# Allegro board Learn.brd (continued)
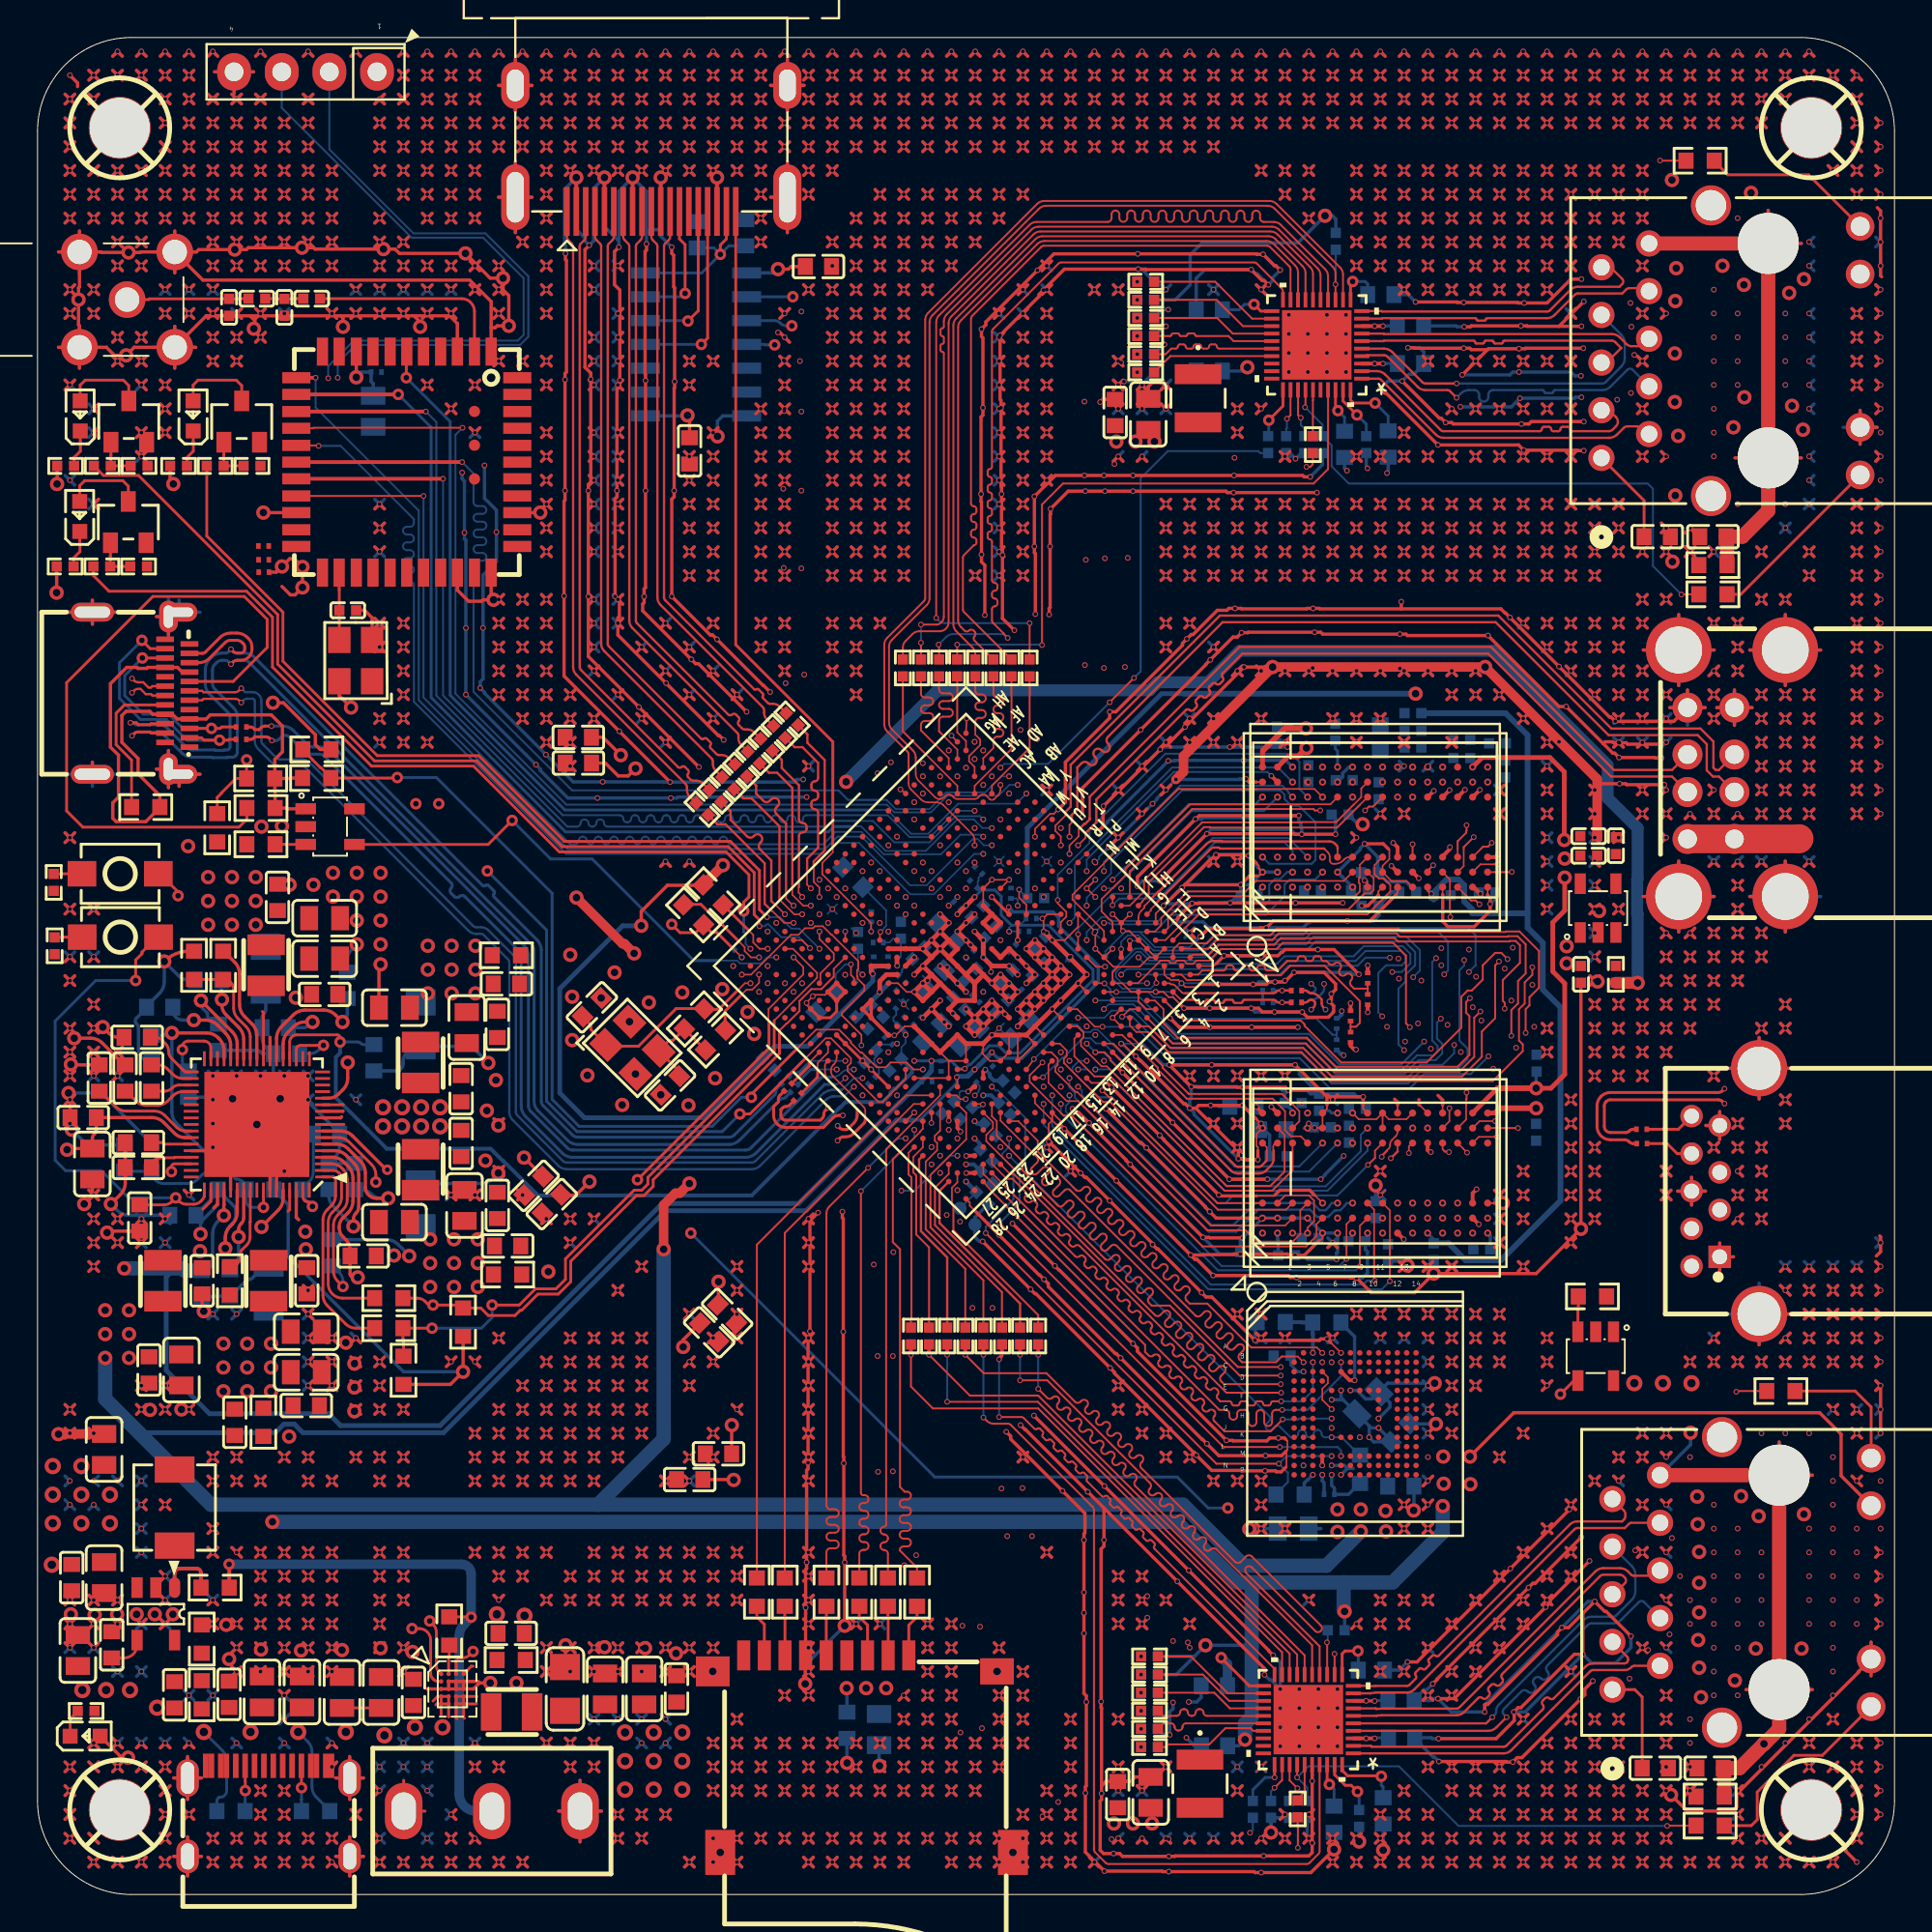
[diagram p0: board, top side]
## Routing (per net, layer and track width the routed paths; a pad name or vN(x,y) marks a point on that pad's centre or on a via; arc(x,y) is an arc through that point) (continued)
66.75,72.59 ; 85.29,91.64 v1(85.54,91.89) ; v1(85.54,91.89) 85.8,91.64 ; v1(85.54,91.89) 85.29,92.15 ; v1(85.54,91.89) 85.8,92.15 ; 21.79,79.45 v1(22.04,79.19) ; v1(22.04,79.19) 22.3,79.45 ; v1(22.04,79.19) 22.3,78.94 ; v1(22.04,79.19) 21.79,78.94 ; 97.99,83.26 v1(98.24,83) 97.99,82.75 ; v1(16.96,27.12) 17.22,26.87 ; v1(16.96,27.12) 16.71,27.38 ; v1(16.96,27.12) 16.71,26.87 ; v1(16.96,27.12) 17.22,27.38 ; 66.55,22.78 66.29,22.53 66.04,22.53 65.99,22.58 v1(65.43,22.58) 64.21,22.58 64.19,22.61 62.59,22.61 v1(61.77,23.42) 57.41,27.78 57.41,27.83 v1(57.18,28.07) 53.22,32.03 53.17,32.03 v1(52.93,32.26) v1(50.38,34.81) ; 11.63,87.07 v1(11.88,86.81) ; v1(11.88,86.81) 12.14,86.56 ; v1(11.88,86.81) 12.14,87.07 ; v1(11.88,86.81) 11.63,86.56 ; 35.76,24.33 v1(36.01,24.58) ; v1(36.01,24.58) 35.76,24.84 ; v1(36.01,24.58) 36.27,24.33 ; v1(36.01,24.58) 36.27,24.84 ; v1(58.87,60.14) 59.13,59.89 ; v1(58.87,60.14) 58.62,59.89 ; v1(58.87,60.14) 59.13,60.4 ; v1(51.25,93.16) 51.51,92.91 ; v1(51.25,93.16) 51,92.91 ; v1(51.25,93.16) 51.51,93.42 ; v1(51.25,93.16) 51,93.42 ; v1(66.49,65.22) 66.75,64.97 ; v1(66.49,65.22) 66.24,65.48 ; v1(66.49,65.22) 66.24,64.97 ; v1(66.49,65.22) 66.75,65.48 ; v1(81.73,67.76) 81.99,67.51 ; v1(81.73,67.76) 81.48,68.02 ; v1(81.73,67.76) 81.99,68.02 ; v1(81.73,67.76) 81.48,67.51 ; v1(33.47,95.7) 33.73,95.96 ; v1(33.47,95.7) 33.22,95.45 ; v1(33.47,95.7) 33.73,95.45 ; v1(33.47,95.7) 33.22,95.96 ; 43.38,2.74 v1(43.63,2.99) ; v1(43.63,2.99) 43.89,3.25 ; v1(43.63,2.99) 43.38,3.25 ; v1(43.63,2.99) 43.89,2.74 ; 29.41,81.48 v1(29.66,81.73) 29.41,81.99 ; 34.49,76.4 v1(34.74,76.65) ; v1(34.74,76.65) 34.49,76.91 ; v1(34.74,76.65) 35,76.4 ; v1(34.74,76.65) 35,76.91 ; v1(28.39,62.68) 28.65,62.94 ; v1(28.39,62.68) 28.65,62.43 ; v1(28.39,62.68) 28.14,62.94 ; v1(28.39,62.68) 28.14,62.43 ; 85.29,23.57 v1(85.54,23.31) ; v1(85.54,23.31) 85.8,23.06 ; v1(85.54,23.31) 85.29,23.06 ; v1(85.54,23.31) 85.8,23.57 ; 58.62,97.23 v1(58.87,96.97) ; v1(58.87,96.97) 59.13,97.23 ; v1(58.87,96.97) 59.13,96.72 ; v1(58.87,96.97) 58.62,96.72 ; v1(53.79,1.72) 54.05,1.98 ; v1(53.79,1.72) 54.05,1.47 ; v1(53.79,1.72) 53.54,1.98 ; v1(53.79,1.72) 53.54,1.47 ; v1(84.27,63.95) 84.53,64.21 ; v1(84.27,63.95) 84.02,63.7 ; v1(84.27,63.95) 84.53,63.7 ; v1(84.27,63.95) 84.02,64.21 ; v1(11.88,11.88) 12.14,12.14 ; v1(11.88,11.88) 11.63,11.63 ; v1(11.88,11.88) 12.14,11.63 ; v1(11.88,11.88) 11.63,12.14 ; v1(76.65,6.8) 76.91,6.55 ; v1(76.65,6.8) 76.4,6.55 ; v1(76.65,6.8) 76.4,7.06 ; v1(76.65,6.8) 76.91,7.06 ; 49.73,90.88 v1(49.98,90.62) ; v1(49.98,90.62) 50.24,90.88 ; v1(49.98,90.62) 50.24,90.37 ; v1(49.98,90.62) 49.73,90.37 ; v1(41.09,25.85) 41.35,25.6 ; v1(41.09,25.85) 40.84,25.6 ; v1(41.09,25.85) 41.35,26.11 ; v1(41.09,25.85) 40.84,26.11 ; 87.83,57.35 v1(88.08,57.6) 88.34,57.35 ; 34.49,72.59 v1(34.74,72.84) ; v1(34.74,72.84) 35,72.59 ; v1(34.74,72.84) 35,73.1 ; v1(34.74,72.84) 34.49,73.1 ; v1(42.36,8.07) 42.62,8.33 ; v1(42.36,8.07) 42.11,8.33 ; v1(42.36,8.07) 42.11,7.82 ; v1(42.36,8.07) 42.62,7.82 ; 84.02,91.64 v1(84.27,91.89) ; v1(84.27,91.89) 84.02,92.15 ; v1(84.27,91.89) 84.53,91.64 ; v1(84.27,91.89) 84.53,92.15 ; 76.4,92.15 v1(76.65,91.89) ; v1(76.65,91.89) 76.91,91.64 ; v1(76.65,91.89) 76.4,91.64 ; v1(76.65,91.89) 76.91,92.15 ; v1(74.11,95.7) 74.37,95.96 ; v1(74.11,95.7) 73.86,95.45 ; v1(74.11,95.7) 73.86,95.96 ; v1(74.11,95.7) 74.37,95.45 ; 57.35,26.11 v1(57.6,25.85) ; v1(57.6,25.85) 57.35,25.6 ; v1(57.6,25.85) 57.86,26.11 ; v1(57.6,25.85) 57.86,25.6 ; 53.54,92.91 v1(53.79,93.16) ; v1(53.79,93.16) 53.54,93.42 ; v1(53.79,93.16) 54.05,92.91 ; v1(53.79,93.16) 54.05,93.42 ; v1(33.47,96.97) 33.73,97.23 ; v1(33.47,96.97) 33.73,96.72 ; v1(33.47,96.97) 33.22,96.72 ; v1(33.47,96.97) 33.22,97.23 ; 77.67,70.56 v1(77.92,70.3) ; v1(77.92,70.3) 78.18,70.05 ; v1(77.92,70.3) 78.18,70.56 ; v1(77.92,70.3) 77.67,70.05 ; 19.25,62.94 v1(19.5,62.68) ; v1(19.5,62.68) 19.76,62.94 ; v1(19.5,62.68) 19.76,62.43 ; v1(19.5,62.68) 19.25,62.43 ; v1(41.09,24.58) 41.35,24.84 ; v1(41.09,24.58) 40.84,24.33 ; v1(41.09,24.58) 40.84,24.84 ; v1(41.09,24.58) 41.35,24.33 ; v1(62.68,70.3) 62.94,70.56 ; v1(62.68,70.3) 62.94,70.05 ; v1(62.68,70.3) 62.43,70.05 ; v1(62.68,70.3) 62.43,70.56 ; v1(28.39,11.88) 28.65,12.14 ; v1(28.39,11.88) 28.14,11.63 ; v1(28.39,11.88) 28.65,11.63 ; v1(28.39,11.88) 28.14,12.14 ; 92.91,32.46 v1(93.16,32.2) ; v1(93.16,32.2) 93.42,31.95 ; v1(93.16,32.2) 93.42,32.46 ; 2.74,35.76 v1(2.99,36.01) ; v1(2.99,36.01) 3.25,35.76 ; v1(2.99,36.01) 3.25,36.27 ; v1(2.99,36.01) 2.74,36.27 ; v1(32.2,24.58) 32.46,24.84 ; v1(32.2,24.58) 31.95,24.84 ; v1(32.2,24.58) 31.95,24.33 ; v1(32.2,24.58) 32.46,24.33 ; v1(85.54,18.23) 85.8,17.98 ; v1(85.54,18.23) 85.8,18.49 ; v1(85.54,18.23) 85.29,18.49 ; v1(85.54,18.23) 85.29,17.98 ; v1(36.01,11.88) 36.27,11.63 ; v1(36.01,11.88) 35.76,12.14 ; v1(36.01,11.88) 36.27,12.14 ; v1(36.01,11.88) 35.76,11.63 ; 56.85,20.6 v1(56.85,18.9) 56.85,18.57 56.69,18.42 v1(56.69,10.29) 56.69,9.96 56.72,9.93 56.72,5.79 ; 56.85,20.6 v1(55.98,21.46) 52.66,24.79 52.63,24.79 v1(52.4,25.02) ; 56.85,20.6 v1(60.76,16.69) 65.41,12.04 65.41,11.95 ; 1.47,26.11 v1(1.72,25.85) ; v1(1.72,25.85) 1.47,25.6 ; v1(1.72,25.85) 1.98,25.6 ; v1(1.72,25.85) 1.98,26.11 ; v1(93.16,57.6) 93.42,57.86 ; v1(93.16,57.6) 92.91,57.35 ; v1(93.16,57.6) 93.42,57.35 ; v1(93.16,57.6) 92.91,57.86 ; 52.27,71.83 v1(52.52,71.57) ; v1(52.52,71.57) 52.78,71.32 ; v1(52.52,71.57) 52.78,71.83 ; v1(52.52,71.57) 52.27,71.32 ; v1(63.95,5.53) 64.21,5.79 ; v1(63.95,5.53) 63.7,5.79 ; v1(63.95,5.53) 63.7,5.28 ; v1(63.95,5.53) 64.21,5.28 ; 24.33,1.47 v1(24.58,1.72) ; v1(24.58,1.72) 24.84,1.47 ; v1(24.58,1.72) 24.84,1.98 ; v1(24.58,1.72) 24.33,1.98 ; 60.4,80.21 v1(60.14,80.46) 59.89,80.21 ; 45.92,79.45 v1(46.17,79.19) ; v1(46.17,79.19) 46.43,78.94 ; v1(46.17,79.19) 46.43,79.45 ; v1(46.17,79.19) 45.92,78.94 ; v1(41.09,33.47) 41.35,33.22 ; v1(41.09,33.47) 40.84,33.73 ; v1(41.09,33.47) 41.35,33.73 ; v1(41.09,33.47) 40.84,33.22 ; C67.2 1.8,44.22 v3(1.78,44.25) ; 82.75,45.16 v1(83,44.9) ; v1(83,44.9) 83.26,44.65 ; v1(83,44.9) 82.75,44.65 ; v1(83,44.9) 83.26,45.16 ; v3(4.83,7.29) 4.64,7.29 arc(4.5,7.32) 4.39,7.4 LED1.2 ; v1(14.42,88.08) 14.68,88.34 ; v1(14.42,88.08) 14.68,87.83 ; v1(14.42,88.08) 14.17,88.34 ; v1(14.42,88.08) 14.17,87.83 ; 96.72,96.72 v1(96.97,96.97) ; v1(96.97,96.97) 96.72,97.23 ; v1(96.97,96.97) 97.23,96.72 ; 68.78,71.32 v1(69.03,71.57) ; v1(69.03,71.57) 68.78,71.83 ; v1(69.03,71.57) 69.29,71.83 ; v1(69.03,71.57) 69.29,71.32 ; 76.4,29.92 v1(76.65,29.66) ; v1(76.65,29.66) 76.91,29.41 ; v1(76.65,29.66) 76.91,29.92 ; v1(76.65,29.66) 76.4,29.41 ; 12.9,15.44 v1(13.15,15.69) ; v1(13.15,15.69) 13.41,15.95 ; v1(13.15,15.69) 13.41,15.44 ; v1(13.15,15.69) 12.9,15.95 ; v1(39.82,81.73) 40.08,81.48 ; v1(39.82,81.73) 39.57,81.48 ; v1(39.82,81.73) 40.08,81.99 ; v1(39.82,81.73) 39.57,81.99 ; v1(14.42,91.89) 14.68,91.64 ; v1(14.42,91.89) 14.68,92.15 ; v1(14.42,91.89) 14.17,92.15 ; v1(14.42,91.89) 14.17,91.64 ; v1(58.87,94.43) 59.13,94.69 ; v1(58.87,94.43) 59.13,94.18 ; v1(58.87,94.43) 58.62,94.69 ; v1(58.87,94.43) 58.62,94.18 ; 97.99,90.37 v1(98.24,90.62) 97.99,90.88 ; 17.98,86.56 v1(18.23,86.81) ; v1(18.23,86.81) 18.49,86.56 ; v1(18.23,86.81) 17.98,87.07 ; v1(18.23,86.81) 18.49,87.07 ; v1(81.73,16.96) 81.99,16.71 ; v1(81.73,16.96) 81.99,17.22 ; v1(81.73,16.96) 81.48,16.71 ; v1(81.73,16.96) 81.48,17.22 ; v1(85.54,63.95) 85.8,64.21 ; v1(85.54,63.95) 85.8,63.7 ; v1(85.54,63.95) 85.29,63.7 ; v1(85.54,63.95) 85.29,64.21 ; 45.92,71.83 v1(46.17,71.57) ; v1(46.17,71.57) 45.92,71.32 ; v1(46.17,71.57) 46.43,71.83 ; v1(46.17,71.57) 46.43,71.32 ; 31.95,92.91 v1(32.2,93.16) ; v1(32.2,93.16) 32.46,92.91 ; v1(32.2,93.16) 32.46,93.42 ; v1(32.2,93.16) 31.95,93.42 ; 47.19,11.63 v1(47.44,11.88) ; v1(47.44,11.88) 47.19,12.14 ; v1(47.44,11.88) 47.7,12.14 ; v1(47.44,11.88) 47.7,11.63 ; v1(81.73,84.27) 81.99,84.02 ; v1(81.73,84.27) 81.48,84.02 ; v1(81.73,84.27) 81.99,84.53 ; 89.1,28.65 v1(89.35,28.39) ; v1(89.35,28.39) 89.61,28.14 ; v1(89.35,28.39) 89.61,28.65 ; v1(89.35,28.39) 89.1,28.14 ; v1(62.68,95.7) 62.94,95.96 ; v1(62.68,95.7) 62.43,95.45 ; v1(62.68,95.7) 62.43,95.96 ; v1(62.68,95.7) 62.94,95.45 ; 29.41,74.37 v1(29.66,74.11) 29.41,73.86 ; 54.81,4.01 v1(55.06,4.26) ; v1(55.06,4.26) 55.32,4.01 ; v1(55.06,4.26) 55.32,4.52 ; v1(55.06,4.26) 54.81,4.52 ; v1(70.3,76.65) 70.56,76.4 ; v1(70.3,76.65) 70.05,76.91 ; v1(70.3,76.65) 70.56,76.91 ; v1(70.3,76.65) 70.05,76.4 ; v1(38.55,67.76) 38.81,68.02 ; v1(38.55,67.76) 38.81,67.51 ; v1(38.55,67.76) 38.3,68.02 ; v1(38.55,67.76) 38.3,67.51 ; 28.14,21.79 v1(28.39,22.04) ; v1(28.39,22.04) 28.14,22.3 ; v1(28.39,22.04) 28.65,21.79 ; v1(28.39,22.04) 28.65,22.3 ; v1(30.93,11.88) 31.19,12.14 ; v1(30.93,11.88) 30.68,11.63 ; v1(30.93,11.88) 30.68,12.14 ; v1(30.93,11.88) 31.19,11.63 ; 97.99,31.19 v1(98.24,30.93) 97.99,30.68 ; 15.44,11.63 v1(15.69,11.88) ; v1(15.69,11.88) 15.95,12.14 ; v1(15.69,11.88) 15.44,12.14 ; v1(15.69,11.88) 15.95,11.63 ; v1(55.06,5.53) 55.32,5.79 ; v1(55.06,5.53) 54.81,5.79 ; v1(55.06,5.53) 55.32,5.28 ; v1(55.06,5.53) 54.81,5.28 ; v1(25.85,65.22) 26.11,65.48 ; v1(25.85,65.22) 25.6,64.97 ; v1(25.85,65.22) 26.11,64.97 ; v1(25.85,65.22) 25.6,65.48 ; v1(96.97,74.11) 97.23,73.86 ; v1(96.97,74.11) 97.23,74.37 ; v1(96.97,74.11) 96.72,73.86 ; v1(96.97,74.11) 96.72,74.37 ; U15.1 24.18,83.52 ; 24.18,83.52 24.4,83.52 24.5,83.62 v3(25.12,83.62) 25.12,85.23 24.82,85.53 v3(24.82,86.16) 24.13,86.16 v3(22.81,87.48) 19.29,87.48 19.06,87.71 v3(18.44,87.71) 14.8,87.71 14.72,87.78 v3(14.1,87.78) 11.24,87.78 11.14,87.68 v3(10.52,87.68) 8.6,87.68 8.47,87.55 U22.3 ; 24.18,83.52 24.18,84.91 23.04,86.06 8.81,86.06 U22.3 ; v1(83,72.84) 83.26,73.1 ; v1(83,72.84) 83.26,72.59 ; v1(83,72.84) 82.75,73.1 ; v1(83,72.84) 82.75,72.59 ; 26.87,97.99 v1(27.12,98.24) 27.38,97.99 ; 52.27,3.25 v1(52.52,2.99) ; v1(52.52,2.99) 52.78,3.25 ; v1(52.52,2.99) 52.27,2.74 ; v1(52.52,2.99) 52.78,2.74 ; v1(75.38,91.89) 75.64,91.64 ; v1(75.38,91.89) 75.64,92.15 ; v1(75.38,91.89) 75.13,92.15 ; v1(75.38,91.89) 75.13,91.64 ; 24.33,81.48 v1(24.58,81.73) ; v1(24.58,81.73) 24.33,81.99 ; v1(24.58,81.73) 24.84,81.99 ; v1(24.58,81.73) 24.84,81.48 ; v1(74.11,94.43) 74.37,94.69 ; v1(74.11,94.43) 73.86,94.18 ; v1(74.11,94.43) 74.37,94.18 ; v1(74.11,94.43) 73.86,94.69 ; 87.83,1.47 v1(88.08,1.72) ; v1(88.08,1.72) 88.34,1.98 ; v1(88.08,1.72) 87.83,1.98 ; v1(88.08,1.72) 88.34,1.47 ; v1(81.73,36.01) 81.99,36.27 ; v1(81.73,36.01) 81.99,35.76 ; v1(81.73,36.01) 81.48,35.76 ; v1(81.73,36.01) 81.48,36.27 ; v1(65.22,74.11) 65.48,73.86 ; v1(65.22,74.11) 64.97,73.86 ; v1(65.22,74.11) 65.48,74.37 ; v1(65.22,74.11) 64.97,74.37 ; 29.41,7.82 v1(29.66,8.07) ; v1(29.66,8.07) 29.92,7.82 ; v1(29.66,8.07) 29.92,8.33 ; v1(29.66,8.07) 29.41,8.33 ; 23.06,86.56 v1(23.31,86.81) ; v1(23.31,86.81) 23.57,87.07 ; v1(23.31,86.81) 23.06,87.07 ; v1(23.31,86.81) 23.57,86.56 ; 39.57,94.18 v1(39.82,94.43) ; v1(39.82,94.43) 39.57,94.69 ; v1(39.82,94.43) 40.08,94.18 ; v1(39.82,94.43) 40.08,94.69 ; v1(36.01,96.97) 36.27,96.72 ; v1(36.01,96.97) 36.27,97.23 ; v1(36.01,96.97) 35.76,97.23 ; v1(36.01,96.97) 35.76,96.72 ; 39.57,80.72 v1(39.82,80.46) ; v1(39.82,80.46) 39.57,80.21 ; v1(39.82,80.46) 40.08,80.72 ; v1(39.82,80.46) 40.08,80.21 ; 82.75,94.69 v1(83,94.43) ; v1(83,94.43) 83.26,94.69 ; v1(83,94.43) 82.75,94.18 ; v1(83,94.43) 83.26,94.18 ; v1(22.04,89.35) 22.3,89.1 ; v1(22.04,89.35) 21.79,89.1 ; v1(22.04,89.35) 22.3,89.61 ; v1(22.04,89.35) 21.79,89.61 ; 14.17,94.69 v1(14.42,94.43) ; v1(14.42,94.43) 14.68,94.69 ; v1(14.42,94.43) 14.68,94.18 ; v1(14.42,94.43) 14.17,94.18 ; 77.67,12.9 v1(77.92,13.15) ; v1(77.92,13.15) 78.18,13.41 ; v1(77.92,13.15) 78.18,12.9 ; v1(77.92,13.15) 77.67,13.41 ; v1(65.22,30.93) 65.48,30.68 ; v1(65.22,30.93) 64.97,31.19 ; v1(65.22,30.93) 65.48,31.19 ; v1(65.22,30.93) 64.97,30.68 ; v1(51.25,10.61) 51.51,10.36 ; v1(51.25,10.61) 51,10.87 ; v1(51.25,10.61) 51,10.36 ; v1(51.25,10.61) 51.51,10.87 ; v1(80.46,46.17) 80.72,45.92 ; v1(80.46,46.17) 80.72,46.43 ; v1(80.46,46.17) 80.21,45.92 ; v1(80.46,46.17) 80.21,46.43 ; v1(63.95,74.11) 64.21,73.86 ; v1(63.95,74.11) 63.7,74.37 ; v1(63.95,74.11) 64.21,74.37 ; v1(63.95,74.11) 63.7,73.86 ; 94.69,33.22 v1(94.43,33.47) 94.18,33.22 ; 15.44,89.1 v1(15.69,89.35) ; v1(15.69,89.35) 15.95,89.61 ; v1(15.69,89.35) 15.95,89.1 ; v1(15.69,89.35) 15.44,89.61 ; 45.92,90.37 v1(46.17,90.62) ; v1(46.17,90.62) 46.43,90.88 ; v1(46.17,90.62) 46.43,90.37 ; v1(46.17,90.62) 45.92,90.88 ; 23.06,23.06 v1(23.31,23.31) ; v1(23.31,23.31) 23.57,23.57 ; v1(23.31,23.31) 23.06,23.57 ; v1(23.31,23.31) 23.57,23.06 ; v1(84.27,52.52) 84.53,52.27 ; v1(84.27,52.52) 84.53,52.78 ; v1(84.27,52.52) 84.02,52.78 ; v1(84.27,52.52) 84.02,52.27 ; 35.76,12.9 v1(36.01,13.15) ; v1(36.01,13.15) 35.76,13.41 ; v1(36.01,13.15) 36.27,13.41 ; v1(36.01,13.15) 36.27,12.9 ; v1(42.36,84.27) 42.62,84.53 ; v1(42.36,84.27) 42.11,84.53 ; v1(42.36,84.27) 42.11,84.02 ; v1(42.36,84.27) 42.62,84.02 ; v1(5.53,25.85) 5.79,26.11 ; v1(5.53,25.85) 5.79,25.6 ; v1(5.53,25.85) 5.28,26.11 ; v1(5.53,25.85) 5.28,25.6 ; v1(96.97,95.7) 97.23,95.45 ; v1(96.97,95.7) 96.72,95.45 ; v1(96.97,95.7) 96.72,95.96 ; v1(96.97,95.7) 97.23,95.96 ; 94.18,7.06 v1(94.43,6.8) ; v1(94.43,6.8) 94.18,6.55 ; v1(94.43,6.8) 94.69,6.55 ; v1(94.43,6.8) 94.69,7.06 ; 66.75,97.99 v1(66.49,98.24) 66.24,97.99 ; v1(74.7,7.09) 78.28,7.09 78.31,7.06 v1(78.64,7.06) 78.87,7.29 79.12,7.29 v1(82.25,10.41) 82.48,10.65 82.48,10.95 v1(82.91,11.38) ; 17.98,73.86 v1(18.23,74.11) 18.49,73.86 ; 96.72,8.33 v1(96.97,8.07) ; v1(96.97,8.07) 97.23,7.82 ; v1(96.97,8.07) 96.72,7.82 ; v1(96.97,8.07) 97.23,8.33 ; v1(23.31,6.8) 23.57,6.55 ; v1(23.31,6.8) 23.06,6.55 ; v1(23.31,6.8) 23.57,7.06 ; v1(23.31,6.8) 23.06,7.06 ; 1.98,13.41 v1(1.72,13.15) 1.47,13.41 ; v3(11.53,83.46) 11.58,83.52 11.58,83.9 11.33,84.15 ; 82.75,40.08 v1(83,39.82) ; v1(83,39.82) 83.26,40.08 ; v1(83,39.82) 82.75,39.57 ; v1(83,39.82) 83.26,39.57 ; v1(86.81,69.03) 87.07,68.78 ; v1(86.81,69.03) 86.56,68.78 ; v1(86.81,69.03) 86.56,69.29 ; v1(86.81,69.03) 87.07,69.29 ; v1(76.65,76.65) 76.91,76.4 ; v1(76.65,76.65) 76.4,76.91 ; v1(76.65,76.65) 76.4,76.4 ; v1(76.65,76.65) 76.91,76.91 ; 52.27,97.23 v1(52.52,96.97) ; v1(52.52,96.97) 52.78,97.23 ; v1(52.52,96.97) 52.27,96.72 ; v1(52.52,96.97) 52.78,96.72 ; 51.51,70.05 v1(51.25,70.3) 51.51,70.56 ; v1(62.68,74.11) 62.94,74.37 ; v1(62.68,74.11) 62.94,73.86 ; v1(62.68,74.11) 62.43,74.37 ; v1(62.68,74.11) 62.43,73.86 ; 43.38,87.07 v1(43.63,86.81) ; v1(43.63,86.81) 43.38,86.56 ; v1(43.63,86.81) 43.89,86.56 ; v1(43.63,86.81) 43.89,87.07 ; 51,13.41 v1(51.25,13.15) ; v1(51.25,13.15) 51,12.9 ; v1(51.25,13.15) 51.51,12.9 ; v1(51.25,13.15) 51.51,13.41 ; v1(91.89,28.39) 92.15,28.14 ; v1(91.89,28.39) 91.64,28.14 ; v1(91.89,28.39) 92.15,28.65 ; v1(91.89,28.39) 91.64,28.65 ; 71.32,1.47 v1(71.57,1.72) ; v1(71.57,1.72) 71.32,1.98 ; v1(71.57,1.72) 71.83,1.98 ; v1(71.57,1.72) 71.83,1.47 ; 84.53,97.99 v1(84.27,98.24) 84.02,97.99 ; 31.95,94.18 v1(32.2,94.43) ; v1(32.2,94.43) 31.95,94.69 ; v1(32.2,94.43) 32.46,94.18 ; v1(32.2,94.43) 32.46,94.69 ; v1(10.61,91.89) 10.87,91.64 ; v1(10.61,91.89) 10.36,91.64 ; v1(10.61,91.89) 10.87,92.15 ; v1(10.61,91.89) 10.36,92.15 ; C60.1 2.92,37.53 arc(2.87,37.26) 2.72,37.03 v3(2.49,36.8) ; v1(85.54,44.9) 85.8,45.16 ; v1(85.54,44.9) 85.29,45.16 ; v1(85.54,44.9) 85.8,44.65 ; v1(85.54,44.9) 85.29,44.65 ; v1(8.07,94.43) 8.33,94.18 ; v1(8.07,94.43) 7.82,94.18 ; v1(8.07,94.43) 8.33,94.69 ; v1(8.07,94.43) 7.82,94.69 ; v1(6.8,84.27) 7.06,84.02 ; v1(6.8,84.27) 6.55,84.53 ; v1(6.8,84.27) 6.55,84.02 ; v1(6.8,84.27) 7.06,84.53 ; v1(34.74,28.39) 35,28.65 ; v1(34.74,28.39) 35,28.14 ; v1(34.74,28.39) 34.49,28.14 ; 4.01,81.48 v1(4.26,81.73) ; v1(4.26,81.73) 4.52,81.48 ; v1(4.26,81.73) 4.01,81.99 ; v1(4.26,81.73) 4.52,81.99 ; 1.47,52.27 v1(1.72,52.52) ; v1(1.72,52.52) 1.47,52.78 ; v1(1.72,52.52) 1.98,52.27 ; v1(1.72,52.52) 1.98,52.78 ; 92.15,54.81 v1(91.89,55.06) 91.64,54.81 ; v1(85.54,43.63) 85.8,43.38 ; v1(85.54,43.63) 85.29,43.38 ; v1(85.54,43.63) 85.8,43.89 ; v1(85.54,43.63) 85.29,43.89 ; 84.02,22.3 v1(84.27,22.04) 84.53,22.3 ; 7.06,97.99 v1(6.8,98.24) 6.55,97.99 ; 31.95,66.75 v1(32.2,66.49) ; v1(32.2,66.49) 32.46,66.24 ; v1(32.2,66.49) 31.95,66.24 ; 54.81,9.09 v1(55.06,9.34) ; v1(55.06,9.34) 54.81,9.6 ; v1(55.06,9.34) 55.32,9.09 ; v1(55.06,9.34) 55.32,9.6 ; 87.83,49.73 v1(88.08,49.98) ; v1(88.08,49.98) 88.34,50.24 ; v1(88.08,49.98) 88.34,49.73 ; v1(88.08,49.98) 87.83,50.24 ; v1(13.15,23.31) 13.41,23.06 ; v1(13.15,23.31) 12.9,23.57 ; v1(13.15,23.31) 13.41,23.57 ; v1(13.15,23.31) 12.9,23.06 ; 38.81,97.99 v1(38.55,98.24) 38.3,97.99 ; v1(39.82,8.07) 40.08,8.33 ; v1(39.82,8.07) 39.57,7.82 ; v1(39.82,8.07) 40.08,7.82 ; v1(39.82,8.07) 39.57,8.33 ; 70.05,89.1 v1(70.3,89.35) ; v1(70.3,89.35) 70.56,89.1 ; v1(70.3,89.35) 70.56,89.61 ; v1(70.3,89.35) 70.05,89.61 ; v1(30.93,25.85) 31.19,26.11 ; v1(30.93,25.85) 30.68,25.6 ; v1(30.93,25.85) 30.68,26.11 ; v1(30.93,25.85) 31.19,25.6 ; 72.59,94.18 v1(72.84,94.43) ; v1(72.84,94.43) 72.59,94.69 ; v1(72.84,94.43) 73.1,94.18 ; v1(72.84,94.43) 73.1,94.69 ; 94.18,28.65 v1(94.43,28.39) ; v1(94.43,28.39) 94.18,28.14 ; v1(94.43,28.39) 94.69,28.65 ; v1(94.43,28.39) 94.69,28.14 ; 47.19,90.37 v1(47.44,90.62) ; v1(47.44,90.62) 47.7,90.88 ; v1(47.44,90.62) 47.19,90.88 ; v1(47.44,90.62) 47.7,90.37 ; 10.36,1.47 v1(10.61,1.72) ; v1(10.61,1.72) 10.87,1.47 ; v1(10.61,1.72) 10.87,1.98 ; v1(10.61,1.72) 10.36,1.98 ; 33.22,61.67 v1(33.47,61.41) ; v1(33.47,61.41) 33.73,61.67 ; v1(33.47,61.41) 33.73,61.16 ; v1(19.5,96.97) 19.76,97.23 ; v1(19.5,96.97) 19.76,96.72 ; v1(19.5,96.97) 19.25,97.23 ; v1(19.5,96.97) 19.25,96.72 ; 91.64,63.7 v1(91.89,63.95) ; v1(91.89,63.95) 92.15,64.21 ; v1(91.89,63.95) 92.15,63.7 ; v1(91.89,63.95) 91.64,64.21 ; 73.86,87.83 v1(74.11,88.08) ; v1(74.11,88.08) 74.37,87.83 ; v1(74.11,88.08) 74.37,88.34 ; v1(74.11,88.08) 73.86,88.34 ; v1(76.65,70.3) 76.91,70.05 ; v1(76.65,70.3) 76.4,70.05 ; v1(76.65,70.3) 76.4,70.56 ; v1(76.65,70.3) 76.91,70.56 ; 71.32,38.3 v1(71.57,38.55) ; v1(71.57,38.55) 71.32,38.81 ; v1(71.57,38.55) 71.83,38.3 ; v1(71.57,38.55) 71.83,38.81 ; 5.28,82.75 v1(5.53,83) ; v1(5.53,83) 5.79,82.75 ; v1(5.53,83) 5.79,83.26 ; v1(5.53,83) 5.28,83.26 ; v1(2.99,95.7) 3.25,95.96 ; v1(2.99,95.7) 2.74,95.45 ; v1(2.99,95.7) 2.74,95.96 ; 16.71,4.01 v1(16.96,4.26) ; v1(16.96,4.26) 16.71,4.52 ; v1(16.96,4.26) 17.22,4.52 ; v1(16.96,4.26) 17.22,4.01 ; v1(95.7,9.34) 95.96,9.09 ; v1(95.7,9.34) 95.96,9.6 ; v1(95.7,9.34) 95.45,9.6 ; v1(95.7,9.34) 95.45,9.09 ; v1(81.73,4.26) 81.99,4.52 ; v1(81.73,4.26) 81.99,4.01 ; v1(81.73,4.26) 81.48,4.01 ; v1(81.73,4.26) 81.48,4.52 ; 21.79,84.53 v1(22.04,84.27) ; v1(22.04,84.27) 21.79,84.02 ; v1(22.04,84.27) 22.3,84.02 ; v1(22.04,84.27) 22.3,84.53 ; 77.67,87.07 v1(77.92,86.81) ; v1(77.92,86.81) 77.67,86.56 ; v1(77.92,86.81) 78.18,86.56 ; v1(77.92,86.81) 78.18,87.07 ; 35.76,5.28 v1(36.01,5.53) ; v1(36.01,5.53) 36.27,5.28 ; v1(36.01,5.53) 35.76,5.79 ; v1(36.01,5.53) 36.27,5.79 ; v1(38.55,70.3) 38.81,70.05 ; v1(38.55,70.3) 38.3,70.05 ; v1(38.55,70.3) 38.3,70.56 ; v1(38.55,70.3) 38.81,70.56 ; v1(44.9,80.46) 45.16,80.21 ; v1(44.9,80.46) 44.65,80.72 ; v1(44.9,80.46) 45.16,80.72 ; v1(44.9,80.46) 44.65,80.21 ; 70.05,61.16 v1(70.3,61.41) ; v1(70.3,61.41) 70.05,61.67 ; v1(70.3,61.41) 70.56,61.16 ; v1(70.3,61.41) 70.56,61.67 ; v1(39.82,79.19) 40.08,79.45 ; v1(39.82,79.19) 39.57,78.94 ; v1(39.82,79.19) 39.57,79.45 ; v1(39.82,79.19) 40.08,78.94 ; v1(76.65,71.57) 76.91,71.83 ; v1(76.65,71.57) 76.4,71.32 ; v1(76.65,71.57) 76.91,71.32 ; v1(76.65,71.57) 76.4,71.83 ; 7.82,7.82 v1(8.07,8.07) 8.33,7.82 ; 39.57,70.56 v1(39.82,70.3) ; v1(39.82,70.3) 40.08,70.56 ; v1(39.82,70.3) 39.57,70.05 ; v1(39.82,70.3) 40.08,70.05 ; v1(14.42,1.72) 14.68,1.98 ; v1(14.42,1.72) 14.17,1.47 ; v1(14.42,1.72) 14.68,1.47 ; v1(14.42,1.72) 14.17,1.98 ; U3.C4 23.24,10.96 23.56,11.28 ; U3.C4 U3.B4 ; U3.C4 U3.C3 ; v1(41.09,85.54) 41.35,85.8 ; v1(41.09,85.54) 40.84,85.8 ; v1(41.09,85.54) 40.84,85.29 ; v1(41.09,85.54) 41.35,85.29 ; 20.52,95.96 v1(20.77,95.7) ; v1(20.77,95.7) 21.03,95.96 ; v1(20.77,95.7) 20.52,95.45 ; v1(20.77,95.7) 21.03,95.45 ; v1(85.54,79.19) 